# KiCad board ISA_PC104 Backplane.kicad_pcb (continued)
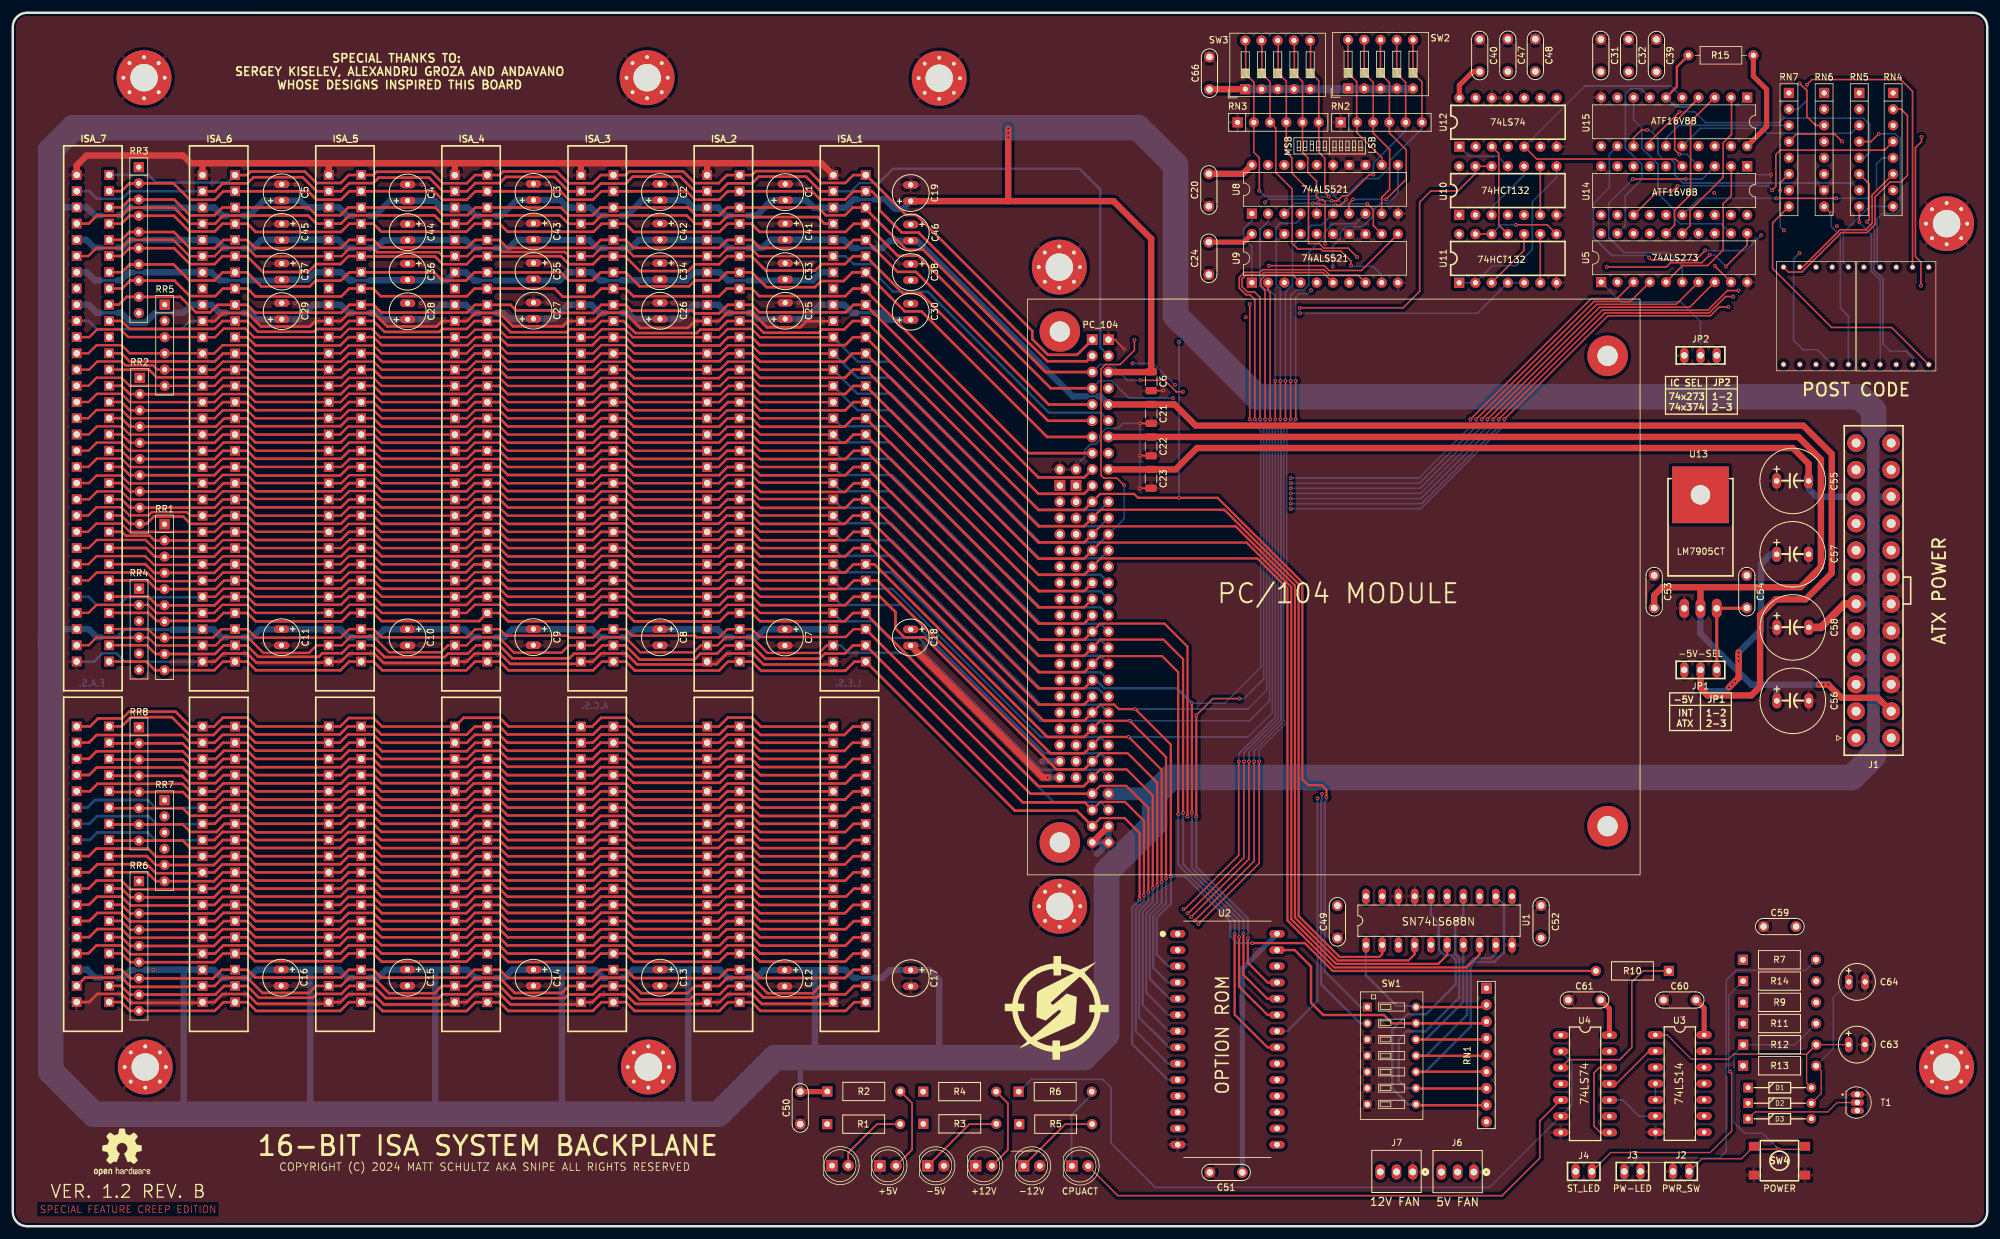
[diagram p0: board, top side]
## Nets
+5V: C1.1 C2.1 C3.1 C4.1 C5.1 C6.1 C7.1 C8.1 C9.1 C10.1 C11.1 C12.1 C13.1 C14.1 C15.1 C16.1 C17.1 C18.1 C19.1 C20.1 C24.2 C31.2 C32.1 C39.1 C40.1 C47.1 C48.1 C49.1 C50.1 C51.1 C52.1 C58.1 C66.1 ISA_1.3 ISA_1.29 ISA_1.78 ISA_2.3 ISA_2.29 ISA_2.78 ISA_3.3 ISA_3.29 ISA_3.78 ISA_4.3 ISA_4.29 ISA_4.78 ISA_5.3 ISA_5.29 ISA_5.78 ISA_6.3 ISA_6.29 ISA_6.78 ISA_7.3 ISA_7.29 ISA_7.78 J1.4 J1.6 J1.22 J6.2 JP2.3 LED7.8 LED8.8 PC_104.B3 PC_104.B29 PC_104.D16 R2.1 R7.1 R9.1 R15.2 RN1.1 RR1.1 RR2.1 RR3.1 RR4.1 RR5.1 RR6.1 RR7.1 RR8.1 SW2.1 SW2.2 SW2.3 SW2.4 SW2.5 SW3.1 SW3.2 SW3.3 SW3.4 SW3.5 U1.3 U1.5 U1.20 U2.28 U5.20 U8.20 U9.20 U10.14 U11.14 U12.2 U12.4 U12.10 U12.13 U12.14 U14.20 U15.20
+5VSB: C59.1 C60.1 C61.1 D1.1 D2.1 J1.9 R1.1 R11.1 R13.1 R14.2 U3.9 U3.11 U3.13 U3.14 U4.1 U4.4 U4.13 U4.14
-5V: C21.2 C41.2 C42.2 C43.2 C44.2 C45.2 C46.2 C57.2 ISA_1.5 ISA_2.5 ISA_3.5 ISA_4.5 ISA_5.5 ISA_6.5 ISA_7.5 JP1.2 PC_104.B5 R3.1
-5V_ATX: J1.21 JP1.3
/+12V: C23.1 C25.1 C26.1 C27.1 C28.1 C29.1 C30.1 C55.1 ISA_1.9 ISA_2.9 ISA_3.9 ISA_4.9 ISA_5.9 ISA_6.9 ISA_7.9 J1.10 J7.2 PC_104.B9 R4.1
/-12V: C22.2 C33.2 C34.2 C35.2 C36.2 C37.2 C38.2 C53.1 C56.2 ISA_1.7 ISA_2.7 ISA_3.7 ISA_4.7 ISA_5.7 ISA_6.7 ISA_7.7 J1.14 PC_104.B7 R5.1 U13.2
GND: C1.2 C2.2 C3.2 C4.2 C5.2 C6.2 C7.2 C8.2 C9.2 C10.2 C11.2 C12.2 C13.2 C14.2 C15.2 C16.2 C17.2 C18.2 C19.2 C20.2 C21.1 C22.1 C23.2 C24.1 C25.2 C26.2 C27.2 C28.2 C29.2 C30.2 C31.1 C32.2 C33.1 C34.1 C35.1 C36.1 C37.1 C38.1 C39.2 C40.2 C41.1 C42.1 C43.1 C44.1 C45.1 C46.1 C47.2 C48.2 C49.2 C50.2 C51.2 C52.2 C53.2 C54.2 C55.2 C56.1 C57.1 C58.2 C59.2 C60.2 C61.2 C63.2 C64.2 C66.2 H1.1 H2.1 H3.1 H4.1 H5.1 H6.1 H7.1 H8.1 H9.1 ISA_1.1 ISA_1.10 ISA_1.31 ISA_1.80 ISA_2.1 ISA_2.10 ISA_2.31 ISA_2.80 ISA_3.1 ISA_3.10 ISA_3.31 ISA_3.80 ISA_4.1 ISA_4.10 ISA_4.31 ISA_4.80 ISA_5.1 ISA_5.10 ISA_5.31 ISA_5.80 ISA_6.1 ISA_6.10 ISA_6.31 ISA_6.80 ISA_7.1 ISA_7.10 ISA_7.31 ISA_7.80 J1.3 J1.5 J1.7 J1.15 J1.17 J1.18 J1.19 J2.1 J3.2 J6.1 J7.1 JP2.1 LED2.1 LED3.2 LED4.1 LED5.2 PC_104.A32 PC_104.B1 PC_104.B31 PC_104.B32 PC_104.C0 PC_104.D0 PC_104.D18 PC_104.D19 RN2.1 RN3.1 RN6.7 RN7.7 SW1.3 SW1.4 SW1.5 SW1.6 SW1.7 SW4.1 T1.1 U1.10 U1.17 U1.18 U2.14 U3.7 U4.7 U5.10 U8.10 U8.13 U8.14 U8.15 U8.16 U8.17 U8.18 U9.10 U9.13 U9.14 U9.15 U9.16 U9.17 U9.18 U10.7 U11.7 U12.7 U12.11 U12.12 U13.1 U14.10 U15.10
/1-RPM: J6.3
/2-RPM: J7.3
/7SEG_BLANKING: U12.5 U14.5 U15.5
/AEN: ISA_1.42 ISA_2.42 ISA_3.42 ISA_4.42 ISA_5.42 ISA_6.42 ISA_7.42 PC_104.A11 RR3.10 SW1.1 U8.1 U9.1
/ALE: ISA_1.28 ISA_2.28 ISA_3.28 ISA_4.28 ISA_5.28 ISA_6.28 ISA_7.28 PC_104.B28 RR4.2
/BA00: ISA_1.62 ISA_2.62 ISA_3.62 ISA_4.62 ISA_5.62 ISA_6.62 ISA_7.62 PC_104.A31 RR1.10 U2.10 U8.2
/BA01: ISA_1.61 ISA_2.61 ISA_3.61 ISA_4.61 ISA_5.61 ISA_6.61 ISA_7.61 PC_104.A30 RR1.9 U2.9 U8.4
/BA02: ISA_1.60 ISA_2.60 ISA_3.60 ISA_4.60 ISA_5.60 ISA_6.60 ISA_7.60 PC_104.A29 RR1.8 U2.8 U8.6
/BA03: ISA_1.59 ISA_2.59 ISA_3.59 ISA_4.59 ISA_5.59 ISA_6.59 ISA_7.59 PC_104.A28 RR1.7 U2.7 U8.8
/BA04: ISA_1.58 ISA_2.58 ISA_3.58 ISA_4.58 ISA_5.58 ISA_6.58 ISA_7.58 PC_104.A27 RR1.6 U2.6 U8.11
/BA05: ISA_1.57 ISA_2.57 ISA_3.57 ISA_4.57 ISA_5.57 ISA_6.57 ISA_7.57 PC_104.A26 RR1.5 U2.5 U9.2
/BA06: ISA_1.56 ISA_2.56 ISA_3.56 ISA_4.56 ISA_5.56 ISA_6.56 ISA_7.56 PC_104.A25 RR1.4 U2.4 U9.4
/BA07: ISA_1.55 ISA_2.55 ISA_3.55 ISA_4.55 ISA_5.55 ISA_6.55 ISA_7.55 PC_104.A24 R10.2 RR1.3 U2.3 U9.6
/BA08: ISA_1.54 ISA_2.54 ISA_3.54 ISA_4.54 ISA_5.54 ISA_6.54 ISA_7.54 PC_104.A23 RR1.2 U2.25 U9.8
/BA09: ISA_1.53 ISA_2.53 ISA_3.53 ISA_4.53 ISA_5.53 ISA_6.53 ISA_7.53 PC_104.A22 RR2.10 U2.24 U9.11
/BA10: ISA_1.52 ISA_2.52 ISA_3.52 ISA_4.52 ISA_5.52 ISA_6.52 ISA_7.52 PC_104.A21 RR2.9 U2.21
/BA11: ISA_1.51 ISA_2.51 ISA_3.51 ISA_4.51 ISA_5.51 ISA_6.51 ISA_7.51 PC_104.A20 RR2.8 U2.23
/BA12: ISA_1.50 ISA_2.50 ISA_3.50 ISA_4.50 ISA_5.50 ISA_6.50 ISA_7.50 PC_104.A19 RR2.7 U2.2
/BA13: ISA_1.49 ISA_2.49 ISA_3.49 ISA_4.49 ISA_5.49 ISA_6.49 ISA_7.49 PC_104.A18 RR2.6 U1.15
/BA14: ISA_1.48 ISA_2.48 ISA_3.48 ISA_4.48 ISA_5.48 ISA_6.48 ISA_7.48 PC_104.A17 RR2.5 U1.13
/BA15: ISA_1.47 ISA_2.47 ISA_3.47 ISA_4.47 ISA_5.47 ISA_6.47 ISA_7.47 PC_104.A16 RR2.4 U1.11
/BA16: ISA_1.46 ISA_2.46 ISA_3.46 ISA_4.46 ISA_5.46 ISA_6.46 ISA_7.46 PC_104.A15 RR2.3 U1.8
/BA17: ISA_1.45 ISA_2.45 ISA_3.45 ISA_4.45 ISA_5.45 ISA_6.45 ISA_7.45 PC_104.A14 RR2.2 U1.6
/BA18: ISA_1.44 ISA_2.44 ISA_3.44 ISA_4.44 ISA_5.44 ISA_6.44 ISA_7.44 PC_104.A13 U1.4
/BA19: ISA_1.43 ISA_2.43 ISA_3.43 ISA_4.43 ISA_5.43 ISA_6.43 ISA_7.43 PC_104.A12 U1.2
/CA0: RN2.6 SW2.6 U8.3
/CA1: RN2.5 SW2.7 U8.5
/CA2: RN2.4 SW2.8 U8.7
/CA3: RN2.3 SW2.9 U8.9
/CA4: RN2.2 SW2.10 U8.12
/CA5: RN3.6 SW3.6 U9.3
/CA6: RN3.5 SW3.7 U9.5
/CA7: RN3.4 SW3.8 U9.7
/CA8: RN3.3 SW3.9 U9.9
/CA9: RN3.2 SW3.10 U9.12
/CLK: ISA_1.20 ISA_2.20 ISA_3.20 ISA_4.20 ISA_5.20 ISA_6.20 ISA_7.20 PC_104.B20
/CLOCK_PULSE_ON_MATCH: U5.11 U11.11 U12.3
/D8: ISA_1.91 ISA_2.91 ISA_3.91 ISA_4.91 ISA_5.91 ISA_6.91 ISA_7.91 PC_104.C11 RR6.2
/D9: ISA_1.92 ISA_2.92 ISA_3.92 ISA_4.92 ISA_5.92 ISA_6.92 ISA_7.92 PC_104.C12 RR6.3
/D10: ISA_1.93 ISA_2.93 ISA_3.93 ISA_4.93 ISA_5.93 ISA_6.93 ISA_7.93 PC_104.C13 RR6.4
/D11: ISA_1.94 ISA_2.94 ISA_3.94 ISA_4.94 ISA_5.94 ISA_6.94 ISA_7.94 PC_104.C14 RR6.5
/D12: ISA_1.95 ISA_2.95 ISA_3.95 ISA_4.95 ISA_5.95 ISA_6.95 ISA_7.95 PC_104.C15 RR6.6
/D13: ISA_1.96 ISA_2.96 ISA_3.96 ISA_4.96 ISA_5.96 ISA_6.96 ISA_7.96 PC_104.C16 RR6.7
/D14: ISA_1.97 ISA_2.97 ISA_3.97 ISA_4.97 ISA_5.97 ISA_6.97 ISA_7.97 PC_104.C17 RR6.8
/D15: ISA_1.98 ISA_2.98 ISA_3.98 ISA_4.98 ISA_5.98 ISA_6.98 ISA_7.98 PC_104.C18 RR6.9
/DB0: ISA_1.40 ISA_2.40 ISA_3.40 ISA_4.40 ISA_5.40 ISA_6.40 ISA_7.40 PC_104.A9 RR3.9 U2.11 U5.3
/DB1: ISA_1.39 ISA_2.39 ISA_3.39 ISA_4.39 ISA_5.39 ISA_6.39 ISA_7.39 PC_104.A8 RR3.8 U2.12 U5.4
/DB2: ISA_1.38 ISA_2.38 ISA_3.38 ISA_4.38 ISA_5.38 ISA_6.38 ISA_7.38 PC_104.A7 RR3.7 U2.13 U5.7
/DB3: ISA_1.37 ISA_2.37 ISA_3.37 ISA_4.37 ISA_5.37 ISA_6.37 ISA_7.37 PC_104.A6 RR3.6 U2.15 U5.8
/DB4: ISA_1.36 ISA_2.36 ISA_3.36 ISA_4.36 ISA_5.36 ISA_6.36 ISA_7.36 PC_104.A5 RR3.5 U2.16 U5.13
/DB5: ISA_1.35 ISA_2.35 ISA_3.35 ISA_4.35 ISA_5.35 ISA_6.35 ISA_7.35 PC_104.A4 RR3.4 U2.17 U5.14
/DB6: ISA_1.34 ISA_2.34 ISA_3.34 ISA_4.34 ISA_5.34 ISA_6.34 ISA_7.34 PC_104.A3 RR3.3 U2.18 U5.17
/DB7: ISA_1.33 ISA_2.33 ISA_3.33 ISA_4.33 ISA_5.33 ISA_6.33 ISA_7.33 PC_104.A2 RR3.2 U2.19 U5.18
/Dig1_BCD_A: U5.12 U15.8
/Dig1_BCD_B: U5.15 U15.2
/Dig1_BCD_C: U5.16 U15.3
/Dig1_BCD_D: U5.19 U15.7
/Dig1_Seg_A: LED8.7 RN5.4
/Dig1_Seg_A_Out: RN5.3 U15.16
/Dig1_Seg_B: LED8.6 RN7.4
/Dig1_Seg_B_Out: RN7.3 U15.15
/Dig1_Seg_C: LED8.4 RN5.6
/Dig1_Seg_C_Out: RN5.5 U15.14
/Dig1_Seg_D: LED8.2 RN5.8
/Dig1_Seg_D_Out: RN5.7 U15.13
/Dig1_Seg_DP: LED8.5 RN7.8
/Dig1_Seg_E: LED8.1 RN7.6
/Dig1_Seg_E_Out: RN7.5 U15.12
/Dig1_Seg_F: LED8.10 RN5.2
/Dig1_Seg_F_Out: RN5.1 U15.18
/Dig1_Seg_G: LED8.9 RN7.2
/Dig1_Seg_G_Out: RN7.1 U15.17
/Dig2_BCD_A: U5.2 U14.8
/Dig2_BCD_B: U5.5 U14.2
/Dig2_BCD_C: U5.6 U14.3
/Dig2_BCD_D: U5.9 U14.7
/Dig2_Seg_A: LED7.7 RN4.6
/Dig2_Seg_A_Out: RN4.5 U14.16
/Dig2_Seg_B: LED7.6 RN4.2
/Dig2_Seg_B_Out: RN4.1 U14.15
/Dig2_Seg_C: LED7.4 RN6.2
/Dig2_Seg_C_Out: RN6.1 U14.14
/Dig2_Seg_D: LED7.2 RN4.3
/Dig2_Seg_D_Out: RN4.4 U14.13
/Dig2_Seg_DP: LED7.5 RN6.8
/Dig2_Seg_E: LED7.1 RN6.4
/Dig2_Seg_E_Out: RN6.3 U14.12
/Dig2_Seg_F: LED7.10 RN4.8
/Dig2_Seg_F_Out: RN4.7 U14.18
/Dig2_Seg_G: LED7.9 RN6.6
/Dig2_Seg_G_Out: RN6.5 U14.17
/DRQ0: ISA_1.71 ISA_2.71 ISA_3.71 ISA_4.71 ISA_5.71 ISA_6.71 ISA_7.71 PC_104.D9
/DRQ1: ISA_1.18 ISA_2.18 ISA_3.18 ISA_4.18 ISA_5.18 ISA_6.18 ISA_7.18 PC_104.B18
/DRQ2: ISA_1.6 ISA_2.6 ISA_3.6 ISA_4.6 ISA_5.6 ISA_6.6 ISA_7.6 PC_104.B6
/DRQ3: ISA_1.16 ISA_2.16 ISA_3.16 ISA_4.16 ISA_5.16 ISA_6.16 ISA_7.16 PC_104.B16
/DRQ5: ISA_1.73 ISA_2.73 ISA_3.73 ISA_4.73 ISA_5.73 ISA_6.73 ISA_7.73 PC_104.D11
/DRQ6: ISA_1.75 ISA_2.75 ISA_3.75 ISA_4.75 ISA_5.75 ISA_6.75 ISA_7.75 PC_104.D13
/DRQ7: ISA_1.77 ISA_2.77 ISA_3.77 ISA_4.77 ISA_5.77 ISA_6.77 ISA_7.77 PC_104.D15
/IO: ISA_1.32 ISA_2.32 ISA_3.32 ISA_4.32 ISA_5.32 ISA_6.32 ISA_7.32 PC_104.A1
/IO_READY: ISA_1.41 ISA_2.41 ISA_3.41 ISA_4.41 ISA_5.41 ISA_6.41 ISA_7.41 PC_104.A10
/IRQ2: ISA_1.4 ISA_2.4 ISA_3.4 ISA_4.4 ISA_5.4 ISA_6.4 ISA_7.4
/IRQ3: ISA_1.25 ISA_2.25 ISA_3.25 ISA_4.25 ISA_5.25 ISA_6.25 ISA_7.25 PC_104.B25
/IRQ4: ISA_1.24 ISA_2.24 ISA_3.24 ISA_4.24 ISA_5.24 ISA_6.24 ISA_7.24 PC_104.B24
/IRQ5: ISA_1.23 ISA_2.23 ISA_3.23 ISA_4.23 ISA_5.23 ISA_6.23 ISA_7.23 PC_104.B23
/IRQ6: ISA_1.22 ISA_2.22 ISA_3.22 ISA_4.22 ISA_5.22 ISA_6.22 ISA_7.22 PC_104.B22
/IRQ7: ISA_1.21 ISA_2.21 ISA_3.21 ISA_4.21 ISA_5.21 ISA_6.21 ISA_7.21 PC_104.B21
/IRQ9: PC_104.B4
/IRQ10: ISA_1.65 ISA_2.65 ISA_3.65 ISA_4.65 ISA_5.65 ISA_6.65 ISA_7.65 PC_104.D3
/IRQ11: ISA_1.66 ISA_2.66 ISA_3.66 ISA_4.66 ISA_5.66 ISA_6.66 ISA_7.66 PC_104.D4
/IRQ12: ISA_1.67 ISA_2.67 ISA_3.67 ISA_4.67 ISA_5.67 ISA_6.67 ISA_7.67 PC_104.D5
/IRQ14: ISA_1.69 ISA_2.69 ISA_3.69 ISA_4.69 ISA_5.69 ISA_6.69 ISA_7.69 PC_104.D7
/IRQ15: ISA_1.68 ISA_2.68 ISA_3.68 ISA_4.68 ISA_5.68 ISA_6.68 ISA_7.68 PC_104.D6
/LA17: ISA_1.88 ISA_2.88 ISA_3.88 ISA_4.88 ISA_5.88 ISA_6.88 ISA_7.88 PC_104.C8 RR8.8
/LA18: ISA_1.87 ISA_2.87 ISA_3.87 ISA_4.87 ISA_5.87 ISA_6.87 ISA_7.87 PC_104.C7 RR8.7
/LA19: ISA_1.86 ISA_2.86 ISA_3.86 ISA_4.86 ISA_5.86 ISA_6.86 ISA_7.86 PC_104.C6 RR8.6
/LA20: ISA_1.85 ISA_2.85 ISA_3.85 ISA_4.85 ISA_5.85 ISA_6.85 ISA_7.85 PC_104.C5 RR8.5
/LA21: ISA_1.84 ISA_2.84 ISA_3.84 ISA_4.84 ISA_5.84 ISA_6.84 ISA_7.84 PC_104.C4 RR8.4
/LA22: ISA_1.83 ISA_2.83 ISA_3.83 ISA_4.83 ISA_5.83 ISA_6.83 ISA_7.83 PC_104.C3 RR8.3
/LA23: ISA_1.82 ISA_2.82 ISA_3.82 ISA_4.82 ISA_5.82 ISA_6.82 ISA_7.82 PC_104.C2 RR8.2
/LS47_PULLUP: R15.1 U14.4 U14.6 U15.4 U15.6
/MASTER: ISA_1.79 ISA_2.79 ISA_3.79 ISA_4.79 ISA_5.79 ISA_6.79 ISA_7.79 PC_104.D17
/OSC: ISA_1.30 ISA_2.30 ISA_3.30 ISA_4.30 ISA_5.30 ISA_6.30 ISA_7.30 PC_104.B30 RR4.4
/RDY/~{B}: RN1.9 U2.1
/RESET: ISA_1.2 ISA_2.2 ISA_3.2 ISA_4.2 ISA_5.2 ISA_6.2 ISA_7.2 PC_104.B2 U10.12 U10.13
/SBHE: ISA_1.81 ISA_2.81 ISA_3.81 ISA_4.81 ISA_5.81 ISA_6.81 ISA_7.81 PC_104.C1
/TC: ISA_1.27 ISA_2.27 ISA_3.27 ISA_4.27 ISA_5.27 ISA_6.27 ISA_7.27 PC_104.B27
/~{DACK0}: ISA_1.70 ISA_2.70 ISA_3.70 ISA_4.70 ISA_5.70 ISA_6.70 ISA_7.70 PC_104.D8
/~{DACK1}: ISA_1.17 ISA_2.17 ISA_3.17 ISA_4.17 ISA_5.17 ISA_6.17 ISA_7.17 PC_104.B17
/~{DACK2}: ISA_1.26 ISA_2.26 ISA_3.26 ISA_4.26 ISA_5.26 ISA_6.26 ISA_7.26 PC_104.B26
/~{DACK3}: ISA_1.15 ISA_2.15 ISA_3.15 ISA_4.15 ISA_5.15 ISA_6.15 ISA_7.15 PC_104.B15
/~{DACK5}: ISA_1.72 ISA_2.72 ISA_3.72 ISA_4.72 ISA_5.72 ISA_6.72 ISA_7.72 PC_104.D10
/~{DACK6}: ISA_1.74 ISA_2.74 ISA_3.74 ISA_4.74 ISA_5.74 ISA_6.74 ISA_7.74 PC_104.D12
/~{DACK7}: ISA_1.76 ISA_2.76 ISA_3.76 ISA_4.76 ISA_5.76 ISA_6.76 ISA_7.76 PC_104.D14
/~{IOCS16}: ISA_1.64 ISA_2.64 ISA_3.64 ISA_4.64 ISA_5.64 ISA_6.64 ISA_7.64 PC_104.D2
/~{IOR}: ISA_1.14 ISA_2.14 ISA_3.14 ISA_4.14 ISA_5.14 ISA_6.14 ISA_7.14 PC_104.B14 RR5.6
/~{IOW}: ISA_1.13 ISA_2.13 ISA_3.13 ISA_4.13 ISA_5.13 ISA_6.13 ISA_7.13 PC_104.B13 RR5.5 U11.4 U11.5
/~{MEMCS16}: ISA_1.63 ISA_2.63 ISA_3.63 ISA_4.63 ISA_5.63 ISA_6.63 ISA_7.63 PC_104.D1
/~{MEMR}: ISA_1.89 ISA_2.89 ISA_3.89 ISA_4.89 ISA_5.89 ISA_6.89 ISA_7.89 PC_104.C9 RR7.5 U2.22
/~{MEMW}: ISA_1.90 ISA_2.90 ISA_3.90 ISA_4.90 ISA_5.90 ISA_6.90 ISA_7.90 PC_104.C10 RR7.6 SW1.2
/~{PS_ON}: J1.16 U4.9
/~{REFRESH}: ISA_1.19 ISA_2.19 ISA_3.19 ISA_4.19 ISA_5.19 ISA_6.19 ISA_7.19 PC_104.B19
/~{RESET}: U10.11 U12.1
/~{ROMCS}: U1.19 U2.20
/~{ROMW}: RN1.3 SW1.13 U2.27
/~{SMEMR}: ISA_1.12 ISA_2.12 ISA_3.12 ISA_4.12 ISA_5.12 ISA_6.12 ISA_7.12 PC_104.B12 RR5.4
/~{SMEMW}: ISA_1.11 ISA_2.11 ISA_3.11 ISA_4.11 ISA_5.11 ISA_6.11 ISA_7.11 PC_104.B11 RR5.3
/~{SRDY}: PC_104.B8
Net-(D1-A): C63.1 D1.2 R12.2 U3.1
Net-(D2-A): C64.1 D2.2 R13.2 U3.3
Net-(D3-A): D3.2 R9.2
Net-(D3-K): D3.1 T1.2
Net-(J2-Pin_2): J2.2 R11.2 R12.1 SW4.2
Net-(J3-Pin_1): J3.1 R7.2
Net-(J4-Pin_1): J4.1 R14.1
Net-(J4-Pin_2): J4.2 STANDBY1.1 T1.3
Net-(JP2-Pin_2): JP2.2 U5.1
Net-(LED2-A): LED2.2 R2.2
Net-(LED3-K): LED3.1 R3.2
Net-(LED4-A): LED4.2 R4.2
Net-(LED5-K): LED5.1 R5.2
Net-(LED6-A): LED6.2 U4.5
Net-(LED6-K): LED6.1 R6.2
Net-(R1--): R1.2 STANDBY1.2
Net-(R6-+): R6.1 U4.2 U4.6
Net-(R10-+): R10.1 U4.3
Net-(U1-*G): RN1.2 SW1.14 U1.1
Net-(U1-Q2): RN1.4 SW1.12 U1.7
Net-(U1-Q3): RN1.5 SW1.11 U1.9
Net-(U1-Q4): RN1.6 SW1.10 U1.12
Net-(U1-Q5): RN1.7 SW1.9 U1.14
Net-(U1-Q6): RN1.8 SW1.8 U1.16
Net-(U3-Pad4): U3.4 U3.5
Net-(U4B-C): U3.2 U4.11
Net-(U4B-D): U4.8 U4.12
Net-(U4B-~{S}): U3.6 U4.10
Net-(U8-~{P=R}): U8.19 U10.1 U10.2
Net-(U9-~{P=R}): U9.19 U10.4 U10.5
Net-(U10-Pad6): U10.6 U10.9
Net-(U10-Pad8): U10.8 U11.1 U11.2
Net-(U10-Pad10): U10.3 U10.10
Net-(U11-Pad6): U11.6 U11.9
Net-(U11-Pad10): U11.3 U11.10
Net-(U11-Pad12): U11.8 U11.12 U11.13
Net-(U13-OUT): C54.1 JP1.1 U13.3

Pads without a net: ISA_1 8; ISA_2 8; ISA_3 8; ISA_4 8; ISA_5 8; ISA_6 8; ISA_7 8; J1 1 2 8 11 12 13 20 23 24; LED7 3; LED8 3; PC_104 B10 C19; RR4 3 5 6; RR5 2; RR7 2 3 4; U2 26; U3 8 10 12; U12 6 8 9; U14 1 9 11 19; U15 1 9 11 19

## Via types
v1: diameter 0.6, hole 0.3, Top to Bottom, 175 vias

## Routing (per net, layer and track width the routed paths; a pad name or vN(x,y) marks a point on that pad's centre or on a via; arc(x,y) is an arc through that point)
+5V: length 1976.2
  Top w0.8: 123.26,21.08 127.53,21.08 ; 271.46,169.16 274.5,172.2 274.5,178.04 272.43,180.11 R15.2 ; U12.14 226.41,178.69 228.52,180.8 C40.1 ; U9.20 192.66,154.12 C24.2
  Top w1: C6.1 178.18,154.66 172.29,160.54 155.8,160.54 ; PC_104.B3 178.13,133.77 ; 193.93,166.21 192.54,164.82 C20.1 ; SW3.1 187.34,178.08 ; 155.8,160.54 C19.1 ; 155.8,160.54 v1(155.8,171.93)
  Top w1.2: C58.1 283,93.78 286.68,97.46 J1.6
  In1.Cu w0.5: U11.14 226.38,153.5 228.5,151.38 235.3,151.38 237.83,153.91 237.83,177.26 238.3,177.73 C48.1 ; C39.1 259.21,178.83 271.85,178.83 274.4,176.28 274.4,172.1 271.46,169.16 ; C32.1 252.9,179.38 254.95,177.33 254.95,157.88 255.9,156.93 270.01,156.93 U14.20 ; C31.2 248.55,178.68 249.85,177.38 249.85,156.73 U5.20 ; C47.1 234,179.88 232.07,177.95 230.97,177.95 230.2,177.18 230.2,168.53 229.1,167.43 227.81,167.43 U10.14
  In2.Cu w0.3: PC_104.D16 165.19,76.58 172.38,76.58 173.8,75.16 173.8,68.98 172.55,67.73 PC_104.B29
  In2.Cu w0.5: 16.21,94.8 13.81,94.8 ; 132.69,92.22 134.33,92.22
  In2.Cu w0.7: 22,54.08 21.97,54.05 RR6.1 ; 22,54.08 v1(22,40.16) ; 22,54.08 22,66.18 ; ISA_7.29 11.42,93.52 12.7,94.8 13.81,94.8 ; RR1.1 21.77,109.94 21.75,109.92 ; 21.77,144.32 21.78,144.33 23.95,144.33 ; 21.75,109.92 21.75,109.92 21.75,100.47 21.12,99.84 RR4.1 18.36,99.84 17.76,99.24 17.76,95.36 17.2,94.8 16.21,94.8 ; 21.75,109.92 21.75,132.85 ; 22,66.18 22,66.83 22.1,66.73 RR7.1 ; 22,66.18 22,77.48 21.32,78.16 RR8.1 ; RR3.1 21.18,165.87 21.77,165.28 21.77,132.87 21.75,132.85 ; 21.75,132.85 RR2.1
  In2.Cu w0.8: 239.13,45.64 239.13,41.95 234.46,37.28 RN1.1 ; U1.20 210.36,51.67 208.9,50.21 C49.1
  In2.Cu w1: 134.8,92.24 136.05,92.24 137.28,93.47 C18.1 ; 132.2,92.23 131.48,92.23 130.21,93.5 ISA_1.29
  Bottom w0.5: 13.95,92.25 16.35,92.25 17.58,93.48 22.46,93.48 22.52,93.43 ; 16.5,158.29 13.95,158.29 ; 16.55,38.91 13.85,38.91 ; 20.65,40.08 18.95,40.08 ; 20.85,159.53 18.55,159.53 ; 24.95,93.43 22.55,93.43 ; 33.6,38.89 36.15,38.89 ; 35.59,158.28 34.02,158.29 ; 36.05,92.23 33.6,92.23 ; 53.25,38.91 55.85,38.91 ; 55.7,158.29 53.4,158.29 ; 55.95,92.24 53.3,92.24 ; 75.06,158.28 73.54,158.28 ; 75.5,92.23 72.95,92.23 ; 75.6,38.88 73.05,38.88 ; 95.15,92.23 92.65,92.24 ; 95.15,38.89 92.8,38.89 ; 95.3,158.28 92.8,158.28 ; 115,158.27 112.6,158.27 ; 115,92.23 112.45,92.23 ; 115.2,38.88 112.45,38.88 ; 132.64,160.8 134.44,160.8 ; 132.73,38.89 134.32,38.89
  Bottom w0.8: 123.2,26.31 123.25,26.26 123.25,20.77 ; U2.28 192.44,40.35 C51.1
  Bottom w1: ISA_2.78 110.68,40.16 111.96,38.88 112.45,38.88 ; 84.66,93.48 78.19,93.48 76.94,92.23 75.55,92.23 ; 128.37,40.11 117.56,40.11 116.38,38.93 115.05,38.93 ; 134.8,160.81 136.58,160.81 138.05,159.34 139.32,159.34 140.52,160.54 ; 26.76,40.16 v1(22,40.16) 20.73,40.16 20.65,40.08 ; 26.76,40.16 26.76,17.53 ; 26.76,40.16 ISA_6.78 31.47,40.16 32.74,38.89 33.5,38.89 ; 16.4,38.88 17.2,38.88 18.4,40.08 18.95,40.08 ; 92.75,92.23 91.9,92.23 90.63,93.5 ISA_3.29 81.52,93.5 ; ISA_1.3 130.34,159.54 131.6,160.8 132.2,160.8 ; 65,17.53 66.13,18.66 66.13,40.16 ; ISA_3.78 91.16,40.16 92.44,38.88 92.75,38.88 ; 112.49,158.26 111.62,158.26 110.34,159.54 ISA_2.3 106.52,159.54 105.37,160.69 98.52,160.69 96.1,158.28 95.27,158.28 ; 75.55,38.89 76.9,38.89 78.19,40.18 88.91,40.18 ; 73.01,158.27 72.46,158.27 71.19,159.54 ISA_4.3 67.13,159.54 66.06,160.61 59.05,160.61 56.72,158.29 55.79,158.29 ; 46.57,40.17 46.57,17.53 ; 105.75,40.18 105.75,18.04 ; 115.05,92.23 116.45,92.23 117.7,93.48 128.4,93.48 ; 53.26,158.27 52.31,158.27 51.03,159.55 ISA_5.3 46.03,159.55 44.94,160.64 39.29,160.64 36.92,158.28 36.04,158.28 ; 112.5,92.23 111.55,92.23 110.28,93.5 ISA_2.29 101.42,93.5 ; 128.41,159.53 125.35,159.53 124.2,160.68 C1.1 118.8,160.68 116.4,158.28 115.02,158.28 ; 125.57,40.11 125.57,26.65 ; 55.8,38.91 57.21,38.91 58.48,40.18 61.74,40.18 ; 36.05,92.23 37.46,92.23 38.74,93.51 ISA_5.29 51.27,93.51 52.55,92.23 53.25,92.23 ; 92.75,158.29 91.69,158.29 90.44,159.54 ISA_3.3 86.87,159.54 85.69,160.71 C3.1 78.87,160.71 76.43,158.27 75.55,158.27 ; 29.62,93.43 24.92,93.43 ; J1.4 291.18,89.06 ; 73,38.88 72.4,38.88 71.12,40.16 ISA_4.78 61.8,40.16 ; ISA_7.78 11.65,40.18 12.92,38.91 13.8,38.91 ; 49.44,40.18 38.23,40.18 36.94,38.89 36.05,38.89 ; 95.3,38.93 95.82,38.93 97.07,40.18 108.66,40.18 ; 64.9,93.48 58.14,93.48 56.89,92.23 55.8,92.23 ; 145,26.39 145,38.58 143.47,40.11 C17.1 137.28,40.11 136.06,38.89 134.75,38.89 ; ISA_5.78 51.11,40.17 52.4,38.88 53.25,38.88 ; 13.8,158.29 12.86,158.29 11.59,159.56 ISA_7.3 5.44,159.56 5.42,159.58 ; 33.53,158.28 32.73,158.28 31.47,159.54 ISA_6.3 ; ISA_6.29 31.38,93.5 32.65,92.23 33.5,92.23 ; 132.25,38.89 131.58,38.89 130.31,40.16 ISA_1.78 ; 73,92.23 71.97,92.23 70.69,93.5 ISA_4.29 61.82,93.5 ; 291.2,114.26 J1.22 ; 291.2,97.46 J1.6 ; 291.2,125.04 291.26,125.1 ; 13.8,92.25 13.11,92.25 11.84,93.52 ISA_7.29 5.57,93.52 5.42,93.37 ; 16.55,158.32 16.93,158.32 18.14,159.53 18.55,159.53 ; 29.69,159.53 20.75,159.53 ; 104.49,93.41 104.56,93.48 97.39,93.48 96.14,92.23 95.3,92.23 ; 85.94,17.58 85.94,40.16
  Bottom w1.27: 219.06,178.08 SW3.1
  Bottom w2: 291.2,74.38 291.22,74.4 291.22,97.44 291.2,97.46 291.2,125.04 ; 178.7,67.73 PC_104.B29
  Bottom w4: 181.97,166.21 176.14,172.04 155.85,172.04 155.8,171.99 155.75,172.04 9.47,172.04 5.93,168.5 5.93,90.58 ; 182,166.18 182,142.58 194.7,129.88 289.1,129.88 291.26,127.72 291.26,125.1 ; 291.22,74.08 291.22,73.67 287.83,70.28 181.25,70.28 178.7,67.73 178.7,63 171.2,55.5 171.2,29.98 167.61,26.39 119.29,26.39 110.43,17.53 12.68,17.53 5.93,24.28 5.93,92.86
  vias: v1(155.8,171.23) v1(155.8,170.53)
+5VSB: length 99
  Top w0.8: C61.1 249.9,34.07 U4.14 ; C60.1 264.72,34.15 U3.14
  In2.Cu w0.9: C59.1 288.87,46.93 297.3,55.36 297.3,110.13 295.25,112.18 290.72,112.18 ; 290.67,112.23 J1.9
-5V: length 674
  Top w1: v1(270.12,89.86) v1(270.12,89.21) v1(270.12,88.56) 270.12,85.91 v1(268.62,84.41) ; 171.5,128.7 181.83,128.7 185.15,125.38 280.25,125.38 284.7,120.93 284.7,102.28 280.6,98.18 275.95,98.18 273.48,95.71 273.48,84.51 272.1,83.13 265.25,83.13 264.15,84.23 JP1.2
  In2.Cu w1: ISA_7.5 8.62,154.48 5.42,151.28 5.42,21.49 12.28,14.63 105.26,14.63 115.65,25.02 138.62,25.02 140.7,22.94 140.7,17.83 142.54,15.99
  Bottom w0.4: 169.87,129.96 168.03,129.96
  Bottom w0.5: 16.4,153.23 13.7,153.23 ; 20.62,154.43 18.88,154.43 ; 36,153.2 33.6,153.2 ; 55.7,153.18 53.4,153.18 ; 75.16,153.18 73.4,153.18 ; 92.74,153.19 95.26,153.19 ; 112.52,153.19 114.97,153.19 ; 132.3,153.19 134.75,153.19
  Bottom w1: 73.01,153.19 72.17,153.19 70.9,154.46 ISA_4.5 61.88,154.46 ; 20.59,154.46 ISA_6.5 31.81,154.46 33.07,153.2 33.5,153.2 ; 168.03,129.96 165.92,129.96 141.54,154.34 C46.2 137.29,154.34 136.13,153.18 134.8,153.18 ; 132.2,153.2 131.38,153.2 130.12,154.46 ISA_1.5 ; PC_104.B5 170.22,129.97 169.87,129.97 ; 92.75,153.19 91.47,153.19 90.2,154.46 ISA_3.5 78.89,154.46 77.62,153.19 75.53,153.19 ; 128.37,154.47 118.6,154.47 117.38,153.25 115.08,153.25 ; 55.79,153.2 56.88,153.2 58.06,154.38 61.8,154.38 ; JP1.2 264.15,84.71 265.05,83.81 268.02,83.81 v1(269.57,85.36) v1(269.1,84.88) v1(268.62,84.41) ; 101.25,154.44 97.97,154.44 96.73,153.2 95.27,153.2 ; 112.49,153.19 111.93,153.19 110.66,154.46 ISA_2.5 101.27,154.46 ; 53.27,153.19 52.21,153.19 50.93,154.47 ISA_5.5 38.89,154.47 37.6,153.18 36.1,153.18 ; ISA_7.5 11.49,154.48 12.75,153.22 13.8,153.22 ; C57.2 275.12,105.23 273.62,103.73 273.62,93.36 v1(270.12,89.86) 270.12,88.51 ; 16.4,153.23 17.1,153.23 18.3,154.43 18.85,154.43
-5V_ATX: length 52.1
  In2.Cu w1: J1.21 291.27,107.34 291.27,92.01 290.43,91.16 263.5,91.16 261.61,89.27 JP1.3
/+12V: length 657.9
  Top w1: C55.1 281.08,119.4 278.6,121.88 185.35,121.88 182,118.53 PC_104.B9
  In1.Cu w1: ISA_7.9 8.62,144.32 6.95,142.65 6.95,22.25 13.04,16.16 104.3,16.16 114.77,26.62 139.48,26.62 142.49,23.62 142.49,19.7 143.74,18.44 163.26,18.44 175.43,6.28 214.35,6.28 J7.2
  In2.Cu w0.42: 169.68,119.8 168.26,119.8
  In2.Cu w1: 171.06,118.66 169.92,119.79 ; 168,119.82 167.73,120.08 166.64,120.08 144.77,141.95 C30.1
  Bottom w0.5: 16.4,143.05 13.9,143.05 ; 25.3,143.03 22.29,143.03 ; 36.1,143.03 33.45,143.03 ; 55.9,143.03 53.25,143.03 ; 75.55,143.03 73.05,143.03 ; 95.25,143.03 92.85,143.03 ; 115,143.05 112.65,143.05 ; 134.52,143.04 132.5,143.04
  Bottom w1: 33.5,143.03 32.4,143.03 31.13,144.3 ISA_6.9 27.97,144.3 26.7,143.03 25.3,143.03 ; 75.55,143.03 76.68,143.03 77.59,142.12 84.71,142.12 86.9,144.3 ISA_3.9 90.58,144.3 91.85,143.03 92.75,143.03 ; 55.8,143.03 56.85,143.03 57.87,142.02 C28.1 64.81,142.02 67.09,144.3 ISA_4.9 70.88,144.3 72.15,143.03 73,143.03 ; C30.1 136.99,141.95 135.91,143.03 134.8,143.03 ; ISA_7.9 11.88,144.32 13.15,143.05 13.8,143.05 ; 36.05,143.03 37.15,143.03 38.14,142.04 44.81,142.04 47.08,144.31 ISA_5.9 51.31,144.31 52.59,143.03 53.25,143.03 ; 115.05,143.03 115.72,143.03 116.66,142.09 124.13,142.09 126.34,144.3 ISA_1.9 130.12,144.3 131.39,143.03 132.2,143.03 ; C55.1 281.08,115.55 282.37,114.26 J1.10 ; 22.29,143.03 20.77,141.51 18.49,141.51 16.95,143.05 16.4,143.05 ; 95.3,143.03 96.32,143.03 97.26,142.09 C26.1 104.36,142.09 106.57,144.3 ISA_2.9 110.44,144.3 111.71,143.03 112.5,143.03
/-12V: length 676.3
  Top w1: C53.1 256.9,98.81 258.18,100.08 264.15,100.08 ; J1.14 291.9,82.76 286.22,82.76 v1(284.15,84.83) v1(282.65,84.83) ; 264.15,100.08 U13.2 ; 264.15,100.08 279.8,100.08 283,103.28 283,120.08 279.47,123.61 PC_104.B7
  In2.Cu w0.4: 169.75,124.88 168.05,124.88
  In2.Cu w0.5: 132.55,148.11 134.45,148.11
  In2.Cu w1: ISA_7.7 8.62,149.4 6.95,147.73 6.95,24.54 13.68,17.8 103.33,17.8 113.99,28.46 150.58,28.46 155.41,23.63 155.41,18.07 157.49,15.99 ; ISA_1.7 130.3,149.38 131.55,148.13 132.2,148.13 ; PC_104.B7 170.23,124.88 169.9,124.88 ; 168.05,124.88 167.91,124.88 144.69,148.11 134.75,148.11
  Bottom w0.5: 13.85,148.13 16.4,148.13 ; 18.8,149.37 20.8,149.37 ; 33.59,148.11 35.99,148.11 ; 53.42,148.13 55.81,148.13 ; 75.64,148.12 73.06,148.12 ; 92.71,148.11 95.26,148.11 ; 115.03,148.11 112.51,148.11
  Bottom w1: 72.99,148.1 72.21,148.1 70.93,149.38 ISA_4.7 67.93,148.12 55.82,148.12 ; 33.5,148.11 32.4,148.11 31.13,149.38 ISA_6.7 20.7,149.38 ; 115.04,148.11 125.2,148.11 126.47,149.38 ISA_1.7 ; ISA_7.7 11.57,149.4 12.84,148.13 13.8,148.13 ; 92.73,148.11 91.88,148.11 90.61,149.38 ISA_3.7 86.88,149.38 85.6,148.11 75.52,148.11 ; v1(284.15,84.83) v1(283.4,84.83) v1(282.65,84.83) 272.1,84.83 264.15,92.78 U13.2 ; 16.4,148.13 16.95,148.13 18.19,149.37 18.8,149.37 ; 112.5,148.12 111.94,148.12 110.68,149.38 ISA_2.7 106.65,149.38 105.39,148.12 95.27,148.12 ; 53.27,148.12 52.7,148.12 51.43,149.39 ISA_5.7 47.34,149.39 46.19,148.24 C37.2 41.97,148.11 36.05,148.11 ; 276.1,84.73 C56.2
GND: length 939.4
  Top w0.25: v1(174,137.33) 172.48,138.85 PC_104.B1 ; v1(176.4,125.73) 178.16,125.73 ; v1(176.4,120.68) 178.14,120.68 ; C23.2 v1(176.4,115.58) ; C6.2 180.08,130.86 v1(180.1,130.88)
  Top w0.42: 68.88,88.23 58.04,88.23 56.58,89.69 52.64,89.69 51.38,88.43 ISA_5.31 ; ISA_6.10 31.64,141.76 32.9,143.02 36.72,143.02 38.84,140.9 46.48,140.9 47.35,141.77 ISA_5.10 51.38,141.77 52.62,143.01 56.51,143.01 58.61,140.91 66.33,140.91 67.18,141.76 ISA_4.10 71.11,141.76 72.38,143.03 76.19,143.03 78.29,140.93 86.07,140.93 86.9,141.76 ISA_3.10 90.93,141.76 92.24,143.07 95.83,143.07 98.22,140.68 105.68,140.68 106.76,141.76 ISA_2.10 110.53,141.76 111.81,143.04 115.77,143.04 118.03,140.78 123.25,140.78 124.2,141.73 128.39,141.73 ; 88.59,88.08 77.86,88.08 76.26,89.68 72.3,89.68 71.04,88.42 ISA_4.31 ; 49,88.28 38.11,88.28 36.69,89.7 32.93,89.7 31.65,88.42 ISA_6.31 ; ISA_3.80 90.7,35.08 91.91,36.29 95.98,36.29 97.43,34.84 108.44,34.84 ; ISA_3.31 90.78,88.42 92.06,89.7 96,89.7 97.72,87.98 108.24,87.98 ; 67.33,166.48 69.19,166.48 ; 68.84,34.73 58.06,34.73 56.44,36.35 52.56,36.35 51.3,35.09 ISA_5.80 ; ISA_2.80 110.64,35.08 111.92,36.36 115.67,36.36 117.2,34.83 128.17,34.83 ; 106.82,166.48 108.68,166.48 ; 87.07,166.48 88.93,166.48 ; ISA_6.80 31.54,35.08 32.82,36.36 36.71,36.36 38.24,34.83 49.19,34.83 ; 88.58,34.73 77.92,34.73 76.29,36.36 72.32,36.36 71.04,35.08 ISA_4.80 ; 127.98,87.98 117.49,87.98 115.77,89.7 111.77,89.7 110.1,88.03 109.07,88.03 ; 29.6,34.98 18.46,34.98 17.06,36.38 13.23,36.38 11.95,35.1 ISA_7.80 ; 47.6,166.48 49.45,166.48
  Top w1: 49.45,166.48 ISA_5.1 ; ISA_1.1 126.56,166.48 27.84,166.48 26.64,167.68 11.55,167.68 10,166.13 ISA_7.1 ; 29.7,166.48 ISA_6.1 ; 69.19,166.48 ISA_4.1 ; v1(161.97,70.28) 161.97,70.27 161.21,70.27 C18.2 ; 108.68,166.48 ISA_2.1 ; PC_104.B31 PC_104.A32 ; 88.93,166.48 ISA_3.1
  In1.Cu w0.2: RN7.7 275.56,164.68 v1(275.2,164.68)
  In1.Cu w0.25: v1(180.1,130.88) 180.1,132.43 175.2,137.33 v1(174,137.33)
  In1.Cu w0.42: C18.2 137.26,90.93 136.01,89.68 134.8,89.68 ; 65.91,163.15 65.92,163.16 ; 125.08,163.22 125.09,163.23 ; 145.25,150.66 145.22,150.69 ; 65.92,156.97 65.91,156.96 ; 65.92,150.78 65.9,150.76 ; 85.67,157.09 85.63,157.06 ; 125.09,157.08 125.04,157.03 ; 105.49,157.03 105.5,157.04 ; 105.49,150.83 105.5,150.84 ; 145.25,156.91 145.22,156.88 ; ISA_1.31 129.78,88.42 131.04,89.68 132.2,89.68 ; 125.09,150.87 125.05,150.83 ; 85.67,150.88 85.65,150.86 ; 105.5,163.24 105.49,163.23 ; 85.05,163.26 85.04,163.25 ; 46.27,163.18 46.28,163.17
  In1.Cu w0.5: 132.2,89.69 134.6,89.69
  In1.Cu w0.8: 207.91,169.79 206.71,168.58 ; 206.64,168.87 U8.15 ; U8.13 U8.18 ; RN2.1 207.85,170.08 ; U9.18 U9.13
  In1.Cu w1: C33.1 v1(122.95,150.83) 125.05,150.83 ; C45.1 v1(44.28,156.98) 46.28,156.98 ; 65.9,150.76 v1(64.18,150.76) C36.1 ; C27.2 v1(83.8,144.66) 84.24,144.66 85.67,146.09 85.67,163.26 ; C2.2 v1(103.53,163.23) 105.49,163.23 ; ISA_5.1 47.18,164.63 46.28,163.73 46.28,156.98 ; 125.04,157.03 v1(123.1,157.03) C41.1 ; 46.28,156.98 46.28,150.78 ; 85.67,163.26 85.67,163.75 86.54,164.62 ISA_3.1 ; 85.67,163.26 85.05,163.26 ; C43.1 v1(83.72,157.06) 85.63,157.06 ; C5.2 v1(44.32,163.18) 46.27,163.18 ; 105.49,157.03 v1(103.68,157.03) C42.1 ; C30.2 142.8,144.49 145.25,146.94 145.25,165.2 142.93,167.52 130.18,167.52 128.42,165.76 ISA_1.1 126.08,164.62 125.09,163.63 125.09,157.08 v1(125.1,150.88) 125.09,150.87 125.09,146.15 123.57,144.63 v1(122.97,144.63) C25.2 ; 125.08,163.22 123.26,163.22 v1(123.25,163.23) 123.24,163.22 C1.2 ; 46.28,150.78 46.28,145.96 44.9,144.58 v1(44.18,144.58) C29.2 ; 46.28,150.78 v1(44.28,150.78) C37.1 ; 81.5,150.86 v1(83.57,150.86) 85.65,150.86 ; ISA_2.1 106.32,164.62 105.5,163.8 105.5,146.15 103.98,144.63 v1(103.35,144.63) C26.2 ; 65.91,163.15 64.08,163.15 v1(64.07,163.16) 64.07,163.15 C4.2 ; 105.49,150.83 v1(103.32,150.83) C34.1 ; ISA_4.1 66.88,164.62 65.92,163.66 65.92,145.86 64.62,144.56 v1(63.9,144.56) C28.2 ; 140.54,167.45 C19.2 ; C44.1 v1(64.28,156.96) 65.91,156.96 ; 85.04,163.25 83.6,163.25 v1(83.6,163.26) 83.59,163.25 C3.2 ; 145.22,156.88 C46.1 ; 145.22,150.69 C38.1
  In2.Cu w0.7: RN7.7 RN6.7
  In2.Cu w1: PC_104.D18 PC_104.D19 160,66.4 160,58.51 162.27,56.24 165.81,56.24 168.96,59.39 PC_104.A32
  Bottom w0.2: v1(275.2,164.68) 275.18,164.66 273,164.66 ; v1(161.05,72.86) 161.09,72.81
  Bottom w0.25: v1(176.4,115.58) v1(176.4,120.68) v1(176.4,125.73) 173.75,125.73 173,124.98 171.14,124.98 170.13,123.97 170.13,123.13 169.45,122.44 168.66,122.44 167.78,121.56 167.78,120.52 166.42,119.15
  Bottom w0.42: 10.03,88.41 12.72,88.41 14.04,89.73 16.25,89.73 17.57,88.41 29.69,88.41 ; ISA_7.10 11.86,141.78 13.16,140.48 26.41,140.48 27.69,141.76 ISA_6.10
  Bottom w1: PC_104.B32 169.67,58.28 ; PC_104.B32 PC_104.B31 ; PC_104.B32 PC_104.A32 ; v1(161.97,70.28) 163.87,70.28 ; 161.09,72.81 PC_104.D18
/7SEG_BLANKING: length 55.6
  Top w0.25: U12.5 238.52,167.13 260.23,167.13 261.35,166.01
  Bottom w0.25: U12.5 246.07,178.58 259.51,178.58 261.39,176.7
/AEN: length 351.3
  Top w0.25: 186.35,114.08 176.11,114.08
  Top w0.35: v1(205.6,67.18) 205.6,68.34 204.86,69.08 202.75,69.08 201.84,70 201.84,100.82 188.57,114.08 v1(182.55,114.08) 176.11,114.08 175.5,114.69 170.2,114.69 PC_104.A11
  Top w0.42: ISA_6.42 36.71,139.22 37.99,137.94 51.26,137.94 52.55,139.23 ISA_5.42 56.47,139.23 57.72,137.98 71.2,137.98 72.44,139.22 ISA_4.42 76.2,139.22 77.45,137.97 90.72,137.97 91.97,139.22 ISA_3.42 95.93,139.22 97.22,137.93 110.65,137.93 111.94,139.22 ISA_2.42 115.67,139.22 116.9,137.99 130.28,137.99 131.51,139.22 ISA_1.42 160.54,112.18 167.69,112.18 PC_104.A11
  In1.Cu w0.42: ISA_6.42 32.91,139.22 31.68,137.99 28.3,137.99 26.43,139.86 26.43,141.74 25.16,143.01 RR3.10 17.94,143.01 17.3,142.37 17.3,140.14 16.4,139.24 ISA_7.42
  In2.Cu w0.25: U9.1 193.94,146.42 193.1,145.58 189.6,145.58 v1(182.53,138.51)
  Bottom w0.25: U9.1 193.94,153.44 192.65,154.73 192.65,156.18 193.94,157.47 U8.1 ; v1(182.53,138.51) 182.53,114.26
  Bottom w0.35: 211.65,34.32 210.96,34.32 205.32,39.96 205.32,66.4 205.6,66.68 v1(205.6,67.18)
/ALE: length 179.5
  Top w0.378: ISA_1.28 116.97,96.04 115.7,97.31 111.84,97.31 110.57,96.04 ISA_2.28 97.23,96.04 95.95,97.32 92.07,97.32 90.79,96.04 ISA_3.28 77.5,96.04 76.21,97.33 72.31,97.33 71.02,96.04 ISA_4.28 57.76,96.04 56.47,97.33 52.69,97.33 51.41,96.05 ISA_5.28 37.98,96.05 36.72,97.31 32.8,97.31 31.53,96.04 ISA_6.28 ; 29.69,96.03 22.48,96.03 21.21,97.3 13.1,97.3 11.86,96.06 ISA_7.28
  Bottom w0.378: PC_104.B28 170.26,71.51 160.84,71.51 142.78,89.57 142.78,91.21 141.87,92.12 137.18,92.12 134.56,94.74 129.72,94.74 ISA_1.28
/BA00: length 347.8
  Top w0.25: v1(183.24,49.64) 183.41,49.64 191.88,58.12 v1(191.88,72.78) ; v1(197.6,126.38) v1(197.6,132.38)
  Top w0.35: v1(176.36,51.24) 176.36,61.58 174.01,63.92 170.23,63.92 PC_104.A31
  Top w0.42: ISA_7.62 20.89,88.44 22.25,87.08 31.56,87.08 32.9,88.42 ISA_6.62 36.72,88.42 38.07,87.07 51.28,87.07 52.64,88.43 ISA_5.62 56.47,88.43 57.84,87.06 70.98,87.06 72.34,88.42 ISA_4.62 76.22,88.42 77.58,87.06 90.82,87.06 92.18,88.42 ISA_3.62 95.96,88.42 97.35,87.03 110.55,87.03 111.94,88.42 ISA_2.62 115.7,88.42 117.13,86.99 130.3,86.99 131.73,88.42 ISA_1.62 156.84,65.08 166.53,65.08 PC_104.A31
  In1.Cu w0.25: v1(176.36,51.24) 177.78,49.82 183.07,49.82 v1(183.24,49.64)
  Bottom w0.25: v1(191.88,72.78) 191.88,73.95 197.6,79.67 v1(197.6,126.38) ; v1(197.6,132.38) 197.6,145.73 196.68,146.66 195.77,146.66 195.2,147.23 195.2,156.08 196.48,157.36 U8.2
  Bottom w0.35: U2.10 180.79,22.93 175.2,28.52 175.2,49.91 176.36,51.07 v1(176.36,51.24)
